# KiCad board DB1MB.kicad_pcb (continued)
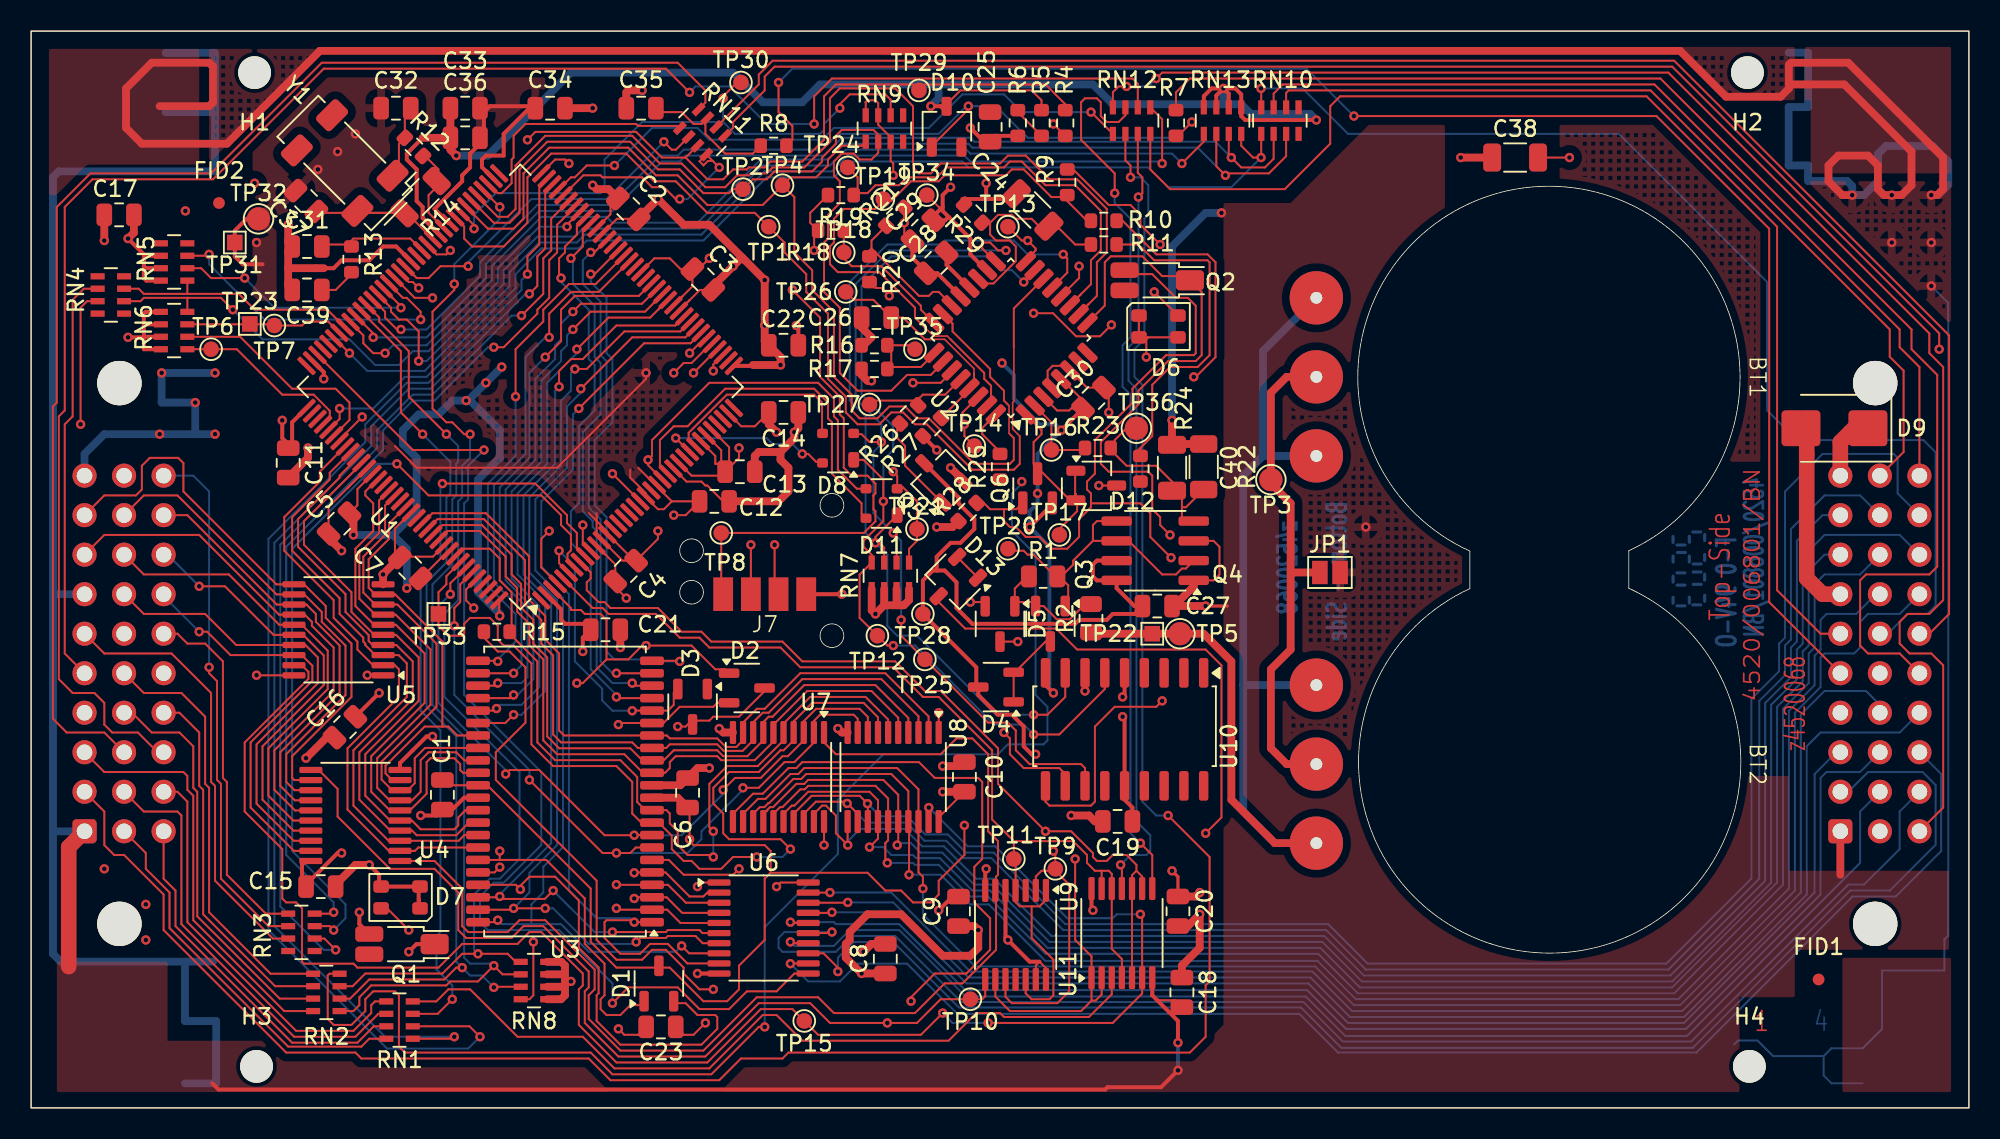
[diagram p0: board, top side]
## Routing (per net, layer and track width the routed paths; a pad name or vN(x,y) marks a point on that pad's centre or on a via; arc(x,y) is an arc through that point) (continued)
A8: length 63
  Top w0.127: v1(37.34,11.3) 40.77,11.3 40.89,11.43 42.93,11.43 43.12,11.24 U6.6 ; v1(33.91,46.36) 33.91,47.37 34.67,48.13 35.43,48.13 37.59,50.29 41.37,50.29 41.67,50.59 ; v1(33.53,13.97) 32.99,13.43 30.26,13.43 v1(30.1,13.59) 30.05,13.54 U3.42
  Bottom w0.127: v1(37.34,11.3) 36.2,11.3 v1(33.53,13.97) ; v1(30.1,13.59) 30.1,13.72 33.4,17.02 33.4,32.51 31.62,34.29 31.62,39.37 33.66,41.4 33.66,46.1 v1(33.91,46.36)
A9: length 37.4
  Top w0.127: v1(30.99,25.27) 30.45,24.74 U3.28 ; v1(35.05,48.77) 37.08,50.8 39.76,50.8 40.33,51.37 ; 40.33,51.37 U1.49 40.33,51.37
  Bottom w0.127: v1(30.99,25.27) 31.5,25.27 33.02,26.8 33.02,32.51 31.24,34.29 31.24,39.5 33.15,41.4 33.15,46.61 35.05,48.51 v1(35.05,48.77)
A10: length 37.4
  Top w0.127: v1(29.89,25.67) 29.76,25.54 U3.27 ; 39.99,51.74 U1.50 39.99,51.74 ; 39.99,51.74 39.43,51.18 35.94,51.18 v1(34.8,50.04)
  Bottom w0.127: v1(29.89,25.67) 30.13,25.91 31.5,25.91 32.64,27.05 32.64,32.26 30.86,34.04 30.86,39.62 32.77,41.53 32.77,46.74 34.04,48.01 34.04,48.64 34.42,49.02 34.42,49.66 v1(34.8,50.04)
A11: length 36.2
  Top w0.127: U3.26 30.78,26.34 v1(30.99,26.54) ; v1(34.8,51.18) 35.31,51.69 39.23,51.69 U1.51
  Bottom w0.127: v1(34.8,51.18) 34.04,50.42 34.04,49.4 33.66,49.02 33.66,48.13 32.39,46.86 32.39,41.66 30.48,39.75 30.48,33.91 32.26,32.13 32.26,27.56 31.24,26.54 v1(30.99,26.54)
A12: length 35.9
  Top w0.127: v1(33.02,48.26) 34.04,49.28 34.04,51.31 34.92,52.2 39.03,52.2 U1.52 ; v1(29.97,27.31) 29.81,27.14 U3.25
  Bottom w0.127: v1(33.02,48.26) 32,47.24 32,41.78 30.1,39.88 30.1,33.91 31.88,32.13 31.88,27.69 31.5,27.31 v1(29.97,27.31)
A13: length 34.5
  Top w0.127: U1.56 36.46,52.45 34.67,52.45 33.27,51.05 v1(33.27,49.53) ; U3.24 30.99,27.94 v1(30.99,27.94)
  Bottom w0.127: v1(33.27,49.53) 33.02,49.53 31.75,48.26 31.75,42.04 29.72,40.01 29.72,33.78 31.5,32 31.5,28.45 v1(30.99,27.94)
A14: length 33.2
  Top w0.127: v1(29.97,28.7) 29.94,28.74 U3.23 ; v1(31.12,45.72) 31.12,48.77 32.89,50.55 32.89,51.31 34.54,52.96 36.26,52.96 U1.57
  Bottom w0.127: v1(31.12,45.72) 31.12,41.91 29.34,40.13 29.34,33.53 31.12,31.75 31.12,29.97 29.97,28.83 v1(29.97,28.7)
A15: length 34.8
  Top w0.127: U3.22 41.62,28.74 v1(41.66,28.7) ; v1(35.94,53.59) 36.19,53.59 U1.58
  Bottom w0.127: v1(41.66,28.7) 40.13,28.7 40.01,28.83 37.47,28.83 36.96,29.34 36.96,37.97 36.2,38.74 36.2,42.93 37.34,44.07 37.34,48.13 36.96,48.51 36.96,52.07 35.94,53.09 v1(35.94,53.59)
A16: length 33
  Top w0.127: v1(35.94,54.99) 36.17,54.99 U1.60 ; U3.21 37.59,27.94 v1(37.59,27.94)
  Bottom w0.127: v1(35.94,54.99) 35.43,54.48 35.43,52.96 36.58,51.82 36.58,48.39 36.96,48.01 36.96,44.32 35.81,43.18 35.81,38.61 36.58,37.85 36.58,28.7 37.34,27.94 v1(37.59,27.94)
A17: length 34.8
  Top w0.127: v1(38.61,27.31) 38.77,27.14 U3.20 ; 35.95,56.89 35.43,56.37 35.43,55.37 v1(34.67,54.61)
  Bottom w0.127: v1(34.67,54.61) 34.8,54.48 34.8,52.96 36.2,51.56 36.2,48.26 36.58,47.88 36.58,44.58 35.43,43.43 35.43,38.35 36.07,37.72 36.07,37.34 36.32,37.08 36.32,28.32 37.34,27.31 v1(38.61,27.31)
A18: length 36.6
  Top w0.127: 35.59,57.24 35.05,56.7 35.05,56.13 34.29,55.37 34.29,54.99 33.91,54.61 33.91,53.47 v1(34.04,53.34) ; U3.19 37.67,26.34 v1(37.59,26.42)
  Bottom w0.127: v1(37.59,26.42) 37.59,26.54 35.94,28.19 35.94,35.05 34.67,36.32 34.67,38.35 35.18,38.86 35.18,43.82 36.2,44.83 36.2,47.75 35.81,48.13 35.81,51.31 34.04,53.09 v1(34.04,53.34)
A19: length 18.6
  Top w0.127: v1(38.61,25.53) 38.62,25.54 U3.18 40.91,25.54 41.27,25.91 41.27,26.67 D3.2 ; U1.6 33.91,35.01 v1(33.91,35.81)
  Bottom w0.127: v1(33.91,35.81) 34.92,34.8 34.92,28.7 36.68,26.95 36.68,26.18 37.34,25.53 v1(38.61,25.53)
A20: length 51.8
  Top w0.127: v1(19.43,11.43) 19.18,11.68 RN3.7 ; 34.45,35.17 34.45,35.62 34.67,35.84 34.67,36.83 34.04,37.47 34.04,38.1 32.77,39.37 25.53,39.37 v1(23.5,41.4)
  Bottom w0.127: v1(19.43,11.43) 20.19,12.19 20.19,13.08 16.76,16.51 16.76,35.94 22.23,41.4 v1(23.5,41.4)
A21: length 55.3
  Top w0.127: U11.5 U11.10 70.71,14.96 70.99,15.24 ; 70.99,15.24 71.36,14.87 U11.9 ; 70.99,15.24 70.99,15.62 70.36,16.26 69.47,16.26 69.09,15.88 68.45,15.88 68.2,16.13 68.2,16.38 66.8,17.78 v1(65.15,17.78) 62.1,20.83 62.1,23.11 58.42,26.8 57.4,26.8 55.5,28.7 49.53,28.7 48.26,29.97 43.69,29.97 43.05,30.61 41.78,30.61 40.26,32.13 37.21,32.13 36.83,32.51 36.45,32.51 35.69,33.27 35.69,33.78 35.94,34.04 35.94,34.42 35.27,35.09
A22: length 49.3
  Top w0.127: v1(27.05,6.99) 26.11,6.05 RN1.7 ; 35.32,35.72 35.05,35.99 35.05,36.96 34.42,37.59 34.42,38.1 32.39,40.13 v1(26.42,40.13)
  Bottom w0.127: v1(26.42,40.13) 26.29,40.01 26.29,35.31 25.02,34.04 25.02,25.53 26.29,24.26 26.29,11.3 26.04,11.05 26.04,8.89 27.05,7.87 v1(27.05,6.99)
A23: length 21.3
  Top w0.127: U11.2 68.76,7.29 68.36,6.9 68.11,6.9 ; 35.95,35.8 35.43,36.31 v1(35.43,37.47) ; 68.11,6.9 U11.1 68.11,9.74 67.06,10.8 v1(67.06,16) ; 68.11,6.9 67.44,6.22 62.86,6.22 61.93,7.16 U9.9
BERR: length 17.2
  Top w0.127: 23.19,52.09 U1.94 23.19,52.09 ; 23.19,52.09 23.75,51.53 v1(23.75,51.44) ; v1(13.72,53.34) 11.56,53.34 10.92,53.98 RN5.6
  Bottom w0.127: v1(23.75,51.44) 15.62,51.44 v1(13.72,53.34)
CE: length 110.1
  Top w0.127: v1(61.47,5.46) 69.47,5.46 71.36,7.35 U11.6 71.36,12.33 v1(71.25,12.45) ; U8.19 57.64,19.29 v1(57.66,19.3) ; 17.38,28.46 17.81,28.03 17.81,27.58 13.72,23.49 13.72,19.05 16.13,16.64 16.13,13.46 16.38,13.21 17.02,13.21 17.4,12.83 17.4,9.4 17.53,9.27 20.7,9.27 20.95,9.02 26.16,9.02 27.69,10.54 31.24,10.54 32,11.3 32.77,11.3 35.43,8.64 35.43,7.87 35.18,7.62 35.18,5.33 37.59,2.92 43.43,2.92 46.86,6.35 48.89,6.35 TP15.1 50.55,4.7 57.15,4.7 v1(58.55,6.1)
  Bottom w0.127: v1(57.66,19.3) 60.15,16.82 61.92,16.82 66.55,12.19 69.47,12.19 69.72,12.45 v1(71.25,12.45) ; v1(58.55,6.1) 59.18,5.46 v1(61.47,5.46)
CLKOUT: length 23.3
  Top w0.127: 41.88,62.06 RN11.2 41.88,62.06 ; 41.88,62.06 41.41,61.6 41.15,61.6 v1(40.64,62.1) ; 24.05,54.05 24.64,53.47 24.77,53.34 25.53,53.34 26.29,54.1 v1(28.07,54.1)
  Bottom w0.127: v1(40.64,62.1) 36.96,58.42 32.13,58.42 28.07,54.36 v1(28.07,54.1)
D0: length 46.4
  Top w0.127: U1.139 27.56,33.65 27.56,32.51 27.18,32.13 v1(27.18,30.99) ; U8.9 53.09,25.01 52.83,25.27 50.67,25.27 50.28,24.88 U7.2 ; U3.7 38.84,16.74 38.48,16.38 v1(37.59,16.38) 36.7,16.38 v1(32,21.08) ; v1(45.72,20.57) 46.74,20.57 48.39,22.23 49.02,22.23 50.28,23.48
  Bottom w0.127: v1(32,21.08) 32,21.72 27.18,26.54 v1(27.18,30.99) ; v1(45.72,20.57) 45.72,20.45 43.05,17.78 43.05,17.27 42.16,16.38 v1(37.59,16.38)
D1: length 47
  Top w0.127: U7.3 49.63,24.86 50.42,25.65 53.21,25.65 53.74,25.12 U8.8 ; v1(30.48,21.46) 30.73,21.72 32.64,21.72 36.83,17.53 v1(38.73,17.53) 38.75,17.54 U3.8 ; v1(44.45,20.45) 45.21,21.21 46.86,21.21 48.26,22.61 48.6,22.61 49.63,23.63 ; v1(26.92,33.02) 26.92,33.72 U1.138
  Bottom w0.127: v1(26.92,33.02) 26.16,32.26 26.16,26.04 30.48,21.72 v1(30.48,21.46) ; v1(44.45,20.45) 44.45,20.19 41.78,17.53 v1(38.73,17.53)
D2: length 62.1
  Top w0.127: v1(46.61,16.13) 45.08,16.13 44.32,15.37 42.93,15.37 42.42,15.88 41.91,15.88 41.15,16.64 41.15,17.5 40.31,18.34 ; U7.4 48.98,24.85 50.17,26.04 53.47,26.04 54.39,25.11 U8.7 ; 27.59,35.09 26.67,34.18 26.67,33.66 26.16,33.15 TP33.1 26.16,30.99 26.8,30.35 27.69,30.35 27.81,30.48 27.81,31.12 28.19,31.5 29.46,31.5 29.97,30.99 29.97,30.1 30.35,29.72 30.99,29.72 32.13,28.58 32.13,23.37 33.53,21.97 37.59,21.97 38.61,20.96 38.61,18.92 39.19,18.34 ; 48.98,23.63 48.33,22.99 48.13,22.99 46.74,21.59 44.83,21.59 43.82,20.57 43.82,19.56 44.45,18.92 44.45,17.65 44.83,17.27 48.13,17.27 v1(48.77,16.64)
  Bottom w0.127: v1(46.61,16.13) 48.26,16.13 v1(48.77,16.64)
D3: length 51.3
  Top w0.127: 48.33,23.63 46.67,21.97 44.7,21.97 43.56,20.83 43.56,18.03 v1(43.82,17.78) ; v1(43.82,16.13) 43.69,16.26 42.16,16.26 41.53,16.89 41.53,17.78 41.02,18.29 41.02,18.92 40.81,19.14 U3.10 ; U8.6 55.04,24.97 53.59,26.42 50.04,26.42 48.33,24.71 ; 30.86,30.35 32.51,28.7 32.51,23.5 33.66,22.35 37.85,22.35 38.92,21.27 38.92,19.66 39.45,19.14 ; U1.136 27.73,35.94 29.46,35.94 30.1,35.31 30.1,33.91 30.86,33.15 30.86,30.57
  Bottom w0.127: v1(43.82,17.78) v1(43.82,16.13)
D4: length 44.9
  Top w0.127: U1.133 26.75,37.08 28.83,37.08 30.48,35.43 30.48,34.16 31.22,33.43 31.22,31.9 32,31.12 32,29.72 32.89,28.83 32.89,23.62 33.78,22.73 38.1,22.73 39.3,21.54 ; U8.5 55.69,25.08 53.98,26.8 49.84,26.8 47.68,24.63 ; U3.13 40.72,21.54 41.02,21.84 41.02,22.23 41.4,22.61 44.07,22.61 44.32,22.35 46.48,22.35 47.68,23.55
D5: length 45.6
  Top w0.127: U8.4 56.34,25.06 54.23,27.18 49.66,27.18 47.63,25.15 47.37,25.15 47.03,24.8 ; 39.26,22.34 38.48,23.11 33.91,23.11 33.15,23.88 33.15,28.96 32.26,29.85 32.26,31.37 31.47,32.16 31.47,33.68 30.86,34.29 30.86,35.56 28.96,37.47 26.42,37.47 U1.132 ; U3.14 40.63,22.34 41.27,22.99 44.07,22.99 44.45,22.61 46,22.61 47.03,23.63
D6: length 46.7
  Top w0.12: 31.69,35.24 31.72,35.21 31.72,32.41
  Top w0.127: 31.72,32.41 32.77,31.37 32.77,29.85 33.53,29.08 33.53,24 34.04,23.5 38.61,23.5 38.97,23.14 U3.15 40.79,23.14 41.02,23.37 44.07,23.37 44.49,22.95 45.7,22.95 46.38,23.63 ; 25.78,37.53 26.1,37.85 29.08,37.85 31.69,35.24 ; U8.3 56.99,25.18 54.61,27.56 49.53,27.56 47.37,25.4 46.99,25.4 46.38,24.79
D7: length 48.1
  Top w0.12: 31.94,35.5 31.98,35.46 31.98,32.67
  Top w0.127: 31.94,35.5 29.21,38.23 25.77,38.23 25.11,37.57 ; 31.98,32.67 33.02,31.62 33.02,30.1 33.91,29.21 33.91,24.26 34.23,23.94 U3.16 40.83,23.94 41.02,23.75 44.07,23.75 44.62,23.2 45.3,23.2 45.73,23.63 ; U8.2 57.64,25.16 54.86,27.94 49.4,27.94 47.12,25.65 46.61,25.65 45.73,24.77
D8: length 25.6
  Top w0.127: 26.42,24.51 26.8,24.51 27.37,23.94 U3.29 ; 26.42,24.51 25.27,24.51 22.76,22 22.76,21.5 23.19,21.07 ; 26.42,24.51 26.42,29.97 23.38,33.01 22.61,33.01 ; U1.127 22.99,37.56 22.99,36.58 21.68,35.27 21.68,33.43 22.11,33.01
D9: length 29.9
  Top w0.127: U5.8 23.53,32.36 26.04,29.85 26.04,25.78 22.51,22.25 22.51,21.1 23.19,20.42 ; U3.30 25.3,23.14 24.64,22.48 24.64,20.87 24.19,20.42 ; 23.04,39.03 22.73,38.72 22.73,36.83 21.34,35.43 21.34,33.12 22.11,32.36
D10: length 32.3
  Top w0.127: U5.7 23.41,31.71 25.65,29.46 25.65,25.91 22.23,22.48 22.23,20.57 23.03,19.77 ; 23.69,19.77 24.47,19.77 25.02,20.32 25.02,22.35 25.53,22.86 27.31,22.86 27.83,22.34 U3.31 ; 22.11,31.71 21.08,32.73 21.08,35.69 22.35,36.96 22.35,39.05 22.99,39.69
D11: length 33.8
  Top w0.127: U5.6 23.43,31.06 25.27,29.21 25.27,26.04 21.84,22.61 21.84,20.32 23.04,19.12 ; 22.23,40.4 21.46,39.62 21.46,39.37 21.97,38.86 21.97,37.08 20.83,35.94 20.83,32.26 22.03,31.06 ; U3.32 27.74,21.54 27.56,21.72 27.56,22.1 27.18,22.48 25.65,22.48 25.4,22.23 25.4,20.19 24.33,19.12
D12: length 35.9
  Top w0.127: 22.05,30.41 20.57,31.88 20.57,33.15 17.53,36.2 17.53,37.72 21.22,41.42 ; U3.35 27.9,19.14 27.43,18.67 27.43,18.16 27.18,17.91 25.02,17.91 24.45,18.47 23.69,18.47 ; U5.5 23.44,30.41 24.89,28.96 24.89,26.16 21.46,22.73 21.46,20.07 23.06,18.47
D13: length 35.8
  Top w0.127: U5.4 23.46,29.76 24.51,28.7 24.51,26.29 21.08,22.86 21.08,19.81 23.07,17.82 ; 21.93,29.76 21.68,30.01 21.68,30.39 20.19,31.88 20.19,33.02 17.15,36.07 17.15,37.85 19.81,40.51 19.81,40.64 20.87,41.7 ; U4.4 24.47,17.82 24.77,17.53 27.31,17.53 28.12,18.34
D14: length 38.2
  Top w0.127: U1.117 19.18,40.83 19.18,40.39 16.76,37.97 16.76,35.81 19.81,32.77 19.81,31.75 21.34,30.23 21.34,29.97 21.46,29.85 21.46,29.75 22.11,29.11 ; U3.37 27.83,17.54 27.46,17.17 U4.3 22.96,17.17 20.7,19.43 20.7,22.99 24.13,26.42 24.13,28.58 23.6,29.11 U5.3
D15: length 39.1
  Top w0.127: U3.38 24.87,16.74 24.65,16.52 U4.2 22.98,16.52 20.32,19.18 20.32,23.11 23.62,26.42 23.62,28.19 23.36,28.46 U5.2 ; 21.96,28.46 20.95,29.46 20.95,29.97 19.43,31.5 19.43,32.64 16.26,35.81 16.26,37.97 18.54,40.26 18.54,40.9 U1.116
DSCLK: length 73.8
  Top w0.1: 62.86,43.31 62.81,43.36 62.81,45.14 62.74,45.21
  Top w0.127: 58.51,51.09 59.18,50.42 59.18,49.91 61.6,47.5 61.6,46.99 62.48,46.1 62.48,45.47 62.74,45.21 ; 27.94,57.91 29.34,56.52 30.99,56.52 31.62,57.15 31.62,60.07 33.27,61.72 38.35,61.72 40.13,59.94 41.53,59.94 43.43,58.04 46.99,58.04 TP4.1 ; TP4.1 49.02,58.55 49.02,54.99 50.17,53.85 50.17,52.58 51.56,51.18 51.56,46.99 52.7,45.85 52.7,44.83 53.21,44.32 54.36,44.32 55.12,45.09 56.13,45.09 56.9,44.32 57.66,44.32 60.58,41.4 62.86,41.4 63.12,41.66 63.12,43.05 62.86,43.31 ; TP4.1 48.77,59.82 50.42,59.82 51.18,60.58 51.18,60.96 52.07,61.85 53.35,61.85 RN9.1
DSI: length 61
  Top w0.127: 58.51,47.84 57.79,47.12 56.26,47.12 55.25,46.1 53.09,46.1 51.94,47.24 51.94,51.44 50.93,52.45 50.93,55.63 51.18,55.88 51.18,57.4 51.94,58.17 51.94,59.56 51.56,59.94 51.56,60.83 52.07,61.34 52.83,61.34 53.21,60.96 53.98,60.96 54.41,61.39 RN9.2 54.41,62.56 54.1,62.87 52.07,62.87 51.69,62.48 51.69,61.98 50.8,61.09 50.8,60.83 50.17,60.2 47.75,60.2 47.24,59.69 46.36,59.69 TP2.1 45.08,59.06 44.83,58.8 43.18,58.8 41.66,60.33 40.26,60.33 38.48,62.1 33.15,62.1 31.37,60.33 31.37,57.53 30.73,56.9 29.72,56.9 28.31,58.3
DSO: length 65.2
  Top w0.127: 28.65,58.6 29.97,57.28 30.61,57.28 31.12,57.79 31.12,60.58 33.02,62.48 38.61,62.48 40.39,60.71 41.78,60.71 43.31,59.18 44.58,59.18 45.34,59.94 46.1,59.94 46.23,60.07 47.24,60.07 47.63,60.45 49.66,60.45 51.31,62.1 51.31,64.9 51.94,65.53 55.5,65.53 56.64,64.39 56.64,60.45 57.02,60.07 57.79,60.07 58.42,60.71 62.23,60.71 62.74,61.21 63.88,61.21 65.41,59.69 67.18,59.69 69.09,57.79 69.09,54.99 68.45,54.36 68.45,52.2 67.9,51.64 ; 67.9,51.64 67.34,51.09 ; 67.9,51.64 U2.10
FC0: length 33.8
  Top w0.127: D2.1 44.58,28.19 43.94,28.19 42.42,29.72 v1(39.5,29.72) 39.24,29.72 38.35,28.83 36.96,28.83 ; 33.48,33.32 34.67,32.13 34.67,32 35.31,32 35.56,31.75 36.58,31.75 36.96,31.37 36.96,28.83 ; v1(35.05,27.31) 35.43,27.31 36.96,28.83 ; U3.40 29.76,15.14 v1(30.1,15.47)
  In1.Cu w0.127: v1(35.05,27.31) 35.05,20.43 v1(30.1,15.47)
FC1: length 45.5
  Top w0.127: v1(33.27,37.08) 32.77,36.58 32.77,34.74 U1.4 ; 30.1,15.94 33.08,15.94 35.56,13.46 35.56,10.54 36.83,9.27 36.83,7.24 36.58,6.99 36.58,6.35 36.96,5.97 37.85,5.97 38.48,6.6 39.12,6.6 D1.1 ; 30.1,15.94 U3.39 ; 30.1,15.94 v1(30.1,16.51)
  In1.Cu w0.127: v1(30.1,16.51) 33.27,19.69 v1(33.27,37.08)
FC2: length 69.4
  Top w0.127: 64.26,12.95 63.5,12.95 63.23,13.22 U9.4 63.23,15.89 ; 64.26,12.95 64.77,12.95 65.18,13.37 ; 64.26,12.95 64.26,10.92 65.66,9.53 65.66,7.24 65.41,6.99 64.26,6.99 63.88,7.37 U9.12 ; U11.13 68.76,15.19 68.71,15.24 ; 34.18,34.02 36.07,32.13 36.7,32.13 37.08,31.75 40.13,31.75 41.66,30.23 42.93,30.23 43.56,29.59 48.13,29.59 49.4,28.32 55.37,28.32 57.28,26.42 58.29,26.42 61.72,22.99 61.72,18.54 63.12,17.15 ; 68.71,15.24 69.22,15.24 69.41,15.05 U11.12 69.41,10.22 70.06,9.57 U11.4 ; 68.71,15.24 68.33,15.24 67.82,15.75 67.82,16.26 66.93,17.15 63.12,17.15 ; TP11.1 63.12,17.15
FREEZE: length 67.9
  Top w0.1: 63.12,48.9 63.12,45.42 63.04,45.34 63.04,43.64 63.37,43.31 63.5,43.18
  Top w0.127: 63.12,48.9 63.12,51.39 65.02,53.29 ; 63.5,43.18 63.5,41.4 63.12,41.02 60.45,41.02 57.53,43.94 56.77,43.94 56.01,44.7 55.25,44.7 54.48,43.94 53.09,43.94 52.32,44.7 52.32,45.72 51.18,46.86 51.18,51.05 49.78,52.45 49.78,53.59 48.39,54.99 48.39,55.63 TP1.1 46.48,57.53 43.43,57.53 41.4,59.56 40.01,59.56 38.23,61.34 33.4,61.34 31.88,59.82 31.88,56.9 30.35,55.37 28.32,55.37 27.81,55.88 27.81,56.66 U1.81
HALT: length 20.4
  Top w0.127: v1(25.02,50.67) 25.02,51.18 24.13,52.07 23.88,52.07 23.75,52.2 22.99,52.96 ; v1(11.43,54.86) 11.34,54.78 RN5.7
  Bottom w0.127: v1(11.43,54.86) 11.43,54.23 14.99,50.67 v1(25.02,50.67)
LED_L: length 17.5
  Top w0.127: 22.86,12.83 v1(24.26,11.43) ; R10.2 70.1,57.02 72.26,54.86 75.57,54.86 76.07,54.36 76.07,48.26 74.8,46.99 v1(74.68,46.99)
LED_R: length 10.1
  Top w0.127: 73.66,50.93 v1(72.14,52.45) ; 66.93,60.33 69.22,58.04 70.61,58.04 71.25,57.4 71.25,56.77 v1(72.52,55.5)
MISO: length 3.3
  Top w0.127: TP13.1 63.63,55.75 v1(64.01,55.75) 64.52,55.25 64.52,55.12 63.95,54.55
MODCLK: length 10.1
  Top w0.127: 15.55,50.37 RN6.7 ; TP7.1 17.4,50.29 17.65,50.55 19.08,50.55 U1.102
MOSI: length 61.3
  Top w0.127: 64.52,53.85 v1(63.75,53.09) ; 52.96,41.66 53.47,41.66 54.74,40.39 v1(54.74,38.99) 54.74,37.72 53.47,36.45 53.47,36.07 53.99,35.55 RN7.8 53.21,34.28 53.21,31.5 TP12.1 54.99,29.72 v1(55.37,29.72) ; v1(64.39,24) 66.04,24 68.96,26.92 U10.6
  Bottom w0.127: v1(54.74,38.99) 54.74,41.66 55.37,42.29 55.37,43.82 53.34,45.85 53.34,52.83 55.25,54.74 61.47,54.74 62.36,53.85 62.99,53.85 v1(63.75,53.09) ; v1(64.39,24) 63.75,24.64 61.85,24.64 56.77,29.72 v1(55.37,29.72)
OE: length 75.8
  Top w0.127: U4.1 25.91,15.87 27.69,14.1 27.69,11.68 28.07,11.3 30.61,11.3 31.37,12.07 33.02,12.07 36.2,8.89 36.2,7.62 35.81,7.24 35.81,5.72 37.85,3.68 43.18,3.68 46.61,7.11 50.55,7.11 51.56,6.1 56.77,6.1 58.67,8 59.82,8 61.98,10.16 61.98,13.94 ; 50.93,23.5 51.69,22.73 58.42,22.73 59.44,23.75 60.45,23.75 61.47,22.73 61.47,17.78 62.1,17.15 62.1,14.99 61.98,14.86 61.98,14.03
PC1: length 9
  Top w0.127: 57.94,50.52 57.15,51.31 57.15,51.56 54.61,54.1 52.7,54.1 52.2,54.61 ; TP18.1 R18.1
PC2: length 5.6
  Top w0.127: R16.1 56.52,49.02 ; 57.94,48.41 57.15,47.63 55.37,47.63 55.25,47.75 55.25,48.77
PC4: length 2.7
  Top w0.127: 59.07,47.26 58.42,46.61 v1(56.64,46.61)
PC5: length 6.2
  Top w0.127: 57.09,45.66 57.28,45.85 58.71,45.85 59.64,46.78 ; 57.09,45.66 56.97,45.54 ; 57.09,45.66 56.9,45.47 54.1,45.47
PD0: length 5.7
  Top w0.127: 60.29,45.17 59.82,44.69 59.82,44.07 v1(59.94,43.94) 59.94,43.18 TP14.1 ; 60.29,45.17 U2.30 ; 60.29,45.17 60.77,45.64 ; D12.3 v1(68.58,40.01)
PD1: length 37.1
  Top w0.1: 57.4,50.17 57.96,49.61 58.85,49.61 59.05,49.4
  Top w0.127: 59.05,49.4 61.21,47.24 61.21,46.86 61.66,46.42 61.66,45.4 ; 66.25,58.55 65.53,58.55 63.75,60.33 62.99,60.33 62.61,59.94 58.67,59.94 58.29,59.56 56.52,59.56 55.25,58.29 54.74,58.29 54.23,57.79 52.2,57.79 51.56,57.15 51.56,55.63 51.31,55.37 51.31,54.23 51.82,53.72 54.48,53.72 56.77,51.44 56.77,50.8 57.4,50.17 ; 67.82,57.02 66.29,58.55
PD2: length 3.2
  Top w0.127: 61.9,44.51 61.09,43.7 61.09,43.31 62.23,42.16
PD3: length 11.4
  Top w0.127: 67.06,38.99 67.06,39.5 ; 67.06,39.5 67.1,39.45 D12.2 ; 67.06,39.5 67.06,40.89 ; 63.95,44.51 64.9,43.56 64.9,43.31 64.39,42.8 64.39,41.4 64.82,40.97 66.67,39.12 ; 66.04,37.21 67.18,38.35 67.18,38.86
PD4: length 5.2
  Top w0.127: 64.52,45.08 65.53,44.06 TP16.1 67.56,42.29
PD5: length 33.9
  Top w0.127: v1(73.15,36.83) 72.52,37.47 72.52,37.97 72.01,38.48 72.01,40.64 71.76,40.89 69.22,40.89 68.71,41.4 68.71,42.8 71.12,45.21 71.12,46.1 73.02,48.01 74.8,48.01 75.18,48.39 75.18,52.45 Q2.1 ; 67.91,50.52 68.96,51.57 68.96,54.36 69.34,54.74 71.37,54.74 72.64,53.47 74.16,53.47
PD7: length 27.6
  Top w0.127: 67.43,52.3 U2.11 ; 67.43,52.3 66.78,51.65 ; 67.43,52.3 68.07,52.95 68.07,54.48 68.71,55.12 68.71,57.66 67.06,59.31 65.15,59.31 63.63,60.83 62.86,60.83 62.48,60.45 58.8,60.45 58.17,59.82 56.26,59.82 56.01,59.56 56.07,59.63 55.75,59.31 54.23,59.31 53.72,58.8 53.21,58.8 53.09,58.93 53.09,59.82 TP24.1
PE0: length 14.7
  Top w0.127: RN6.6 13.42,49.57 16.76,46.23 19.56,46.23 20.45,45.34 20.45,44.22 U1.114
PE1: length 73.3
  Top w0.127: RN13.4 77.72,61.85 78.49,61.09 v1(78.99,61.09) 79.01,61.1 RN10.1 ; v1(19.81,44.96) 19.81,44.29 U1.113
  Bottom w0.127: v1(78.99,61.09) 77.09,59.18 73.02,59.18 71.76,60.45 60.2,60.45 59.82,60.83 52.58,60.83 51.56,59.82 47.24,59.82 43.18,55.75 35.69,55.75 35.18,55.25 32.77,55.25 31.12,53.59 31.12,52.71 25.4,46.99 24,46.99 21.97,44.96 v1(19.81,44.96)
PE2: length 11.2
  Top w0.127: RN6.5 TP6.1 13.21,48.77 16.13,45.85 18.14,45.85 19.18,44.81 19.18,44.37
PE4: length 74.1
  Top w0.127: U1.106 24.51,42.29 v1(29.08,42.29) ; U6.11 49.02,8.64 47.88,7.49 45.97,7.49 44.83,6.35 42.93,6.35 41.53,7.75 38.35,7.75 v1(37.34,6.73)
  Bottom w0.127: v1(29.08,42.29) 28.07,41.28 28.07,39.12 27.81,38.86 27.81,26.54 32.77,21.59 32.77,16.89 30.35,14.48 29.72,14.48 28.83,13.59 28.83,11.94 29.34,11.43 33.91,11.43 37.34,8 v1(37.34,6.73)
PF1: length 16.1
  Top w0.127: RN4.7 6.91,52.65 7.24,52.32 10.03,52.32 ; 10.03,52.32 RN5.5 ; 10.03,52.32 13.34,52.32 14.35,51.31 19.03,51.31 U1.101
PF2: length 73.3
  Top w0.127: 20.52,50.48 21.08,49.91 21.34,49.66 21.34,49.15 21.97,48.51 v1(22.73,48.51) ; RN13.2 76.12,60.53 v1(76.71,59.94) 76.83,60.07 79.5,60.07 80.61,61.18 RN10.3
  Bottom w0.127: v1(22.73,48.51) 23.24,49.02 25.4,49.02 29.59,53.21 29.59,54.1 32.77,57.28 36.96,57.28 37.34,56.9 42.8,56.9 46.86,60.96 51.18,60.96 52.2,61.98 60.2,61.98 60.45,61.72 74.93,61.72 v1(76.71,59.94)
PF3: length 69.7
  Top w0.127: 20.88,50.88 21.72,50.04 21.97,49.78 v1(21.97,49.53) ; RN13.3 76.92,61.25 v1(77.09,61.09) 77.72,60.45 79.25,60.45 79.81,61.01 RN10.2
  Bottom w0.127: v1(77.09,61.09) 76.07,62.1 60.58,62.1 60.33,62.36 52.07,62.36 50.93,61.21 42.04,61.21 41.66,60.83 40.51,60.83 37.34,57.66 32.64,57.66 29.21,54.23 29.21,53.34 25.4,49.53 v1(21.97,49.53)
PF4: length 59.1